# KiCad board hat_debug.kicad_pcb
title: afterglow 3.0 Debug Hat; date: 2024; rev: 1.1; company: bitfield labs
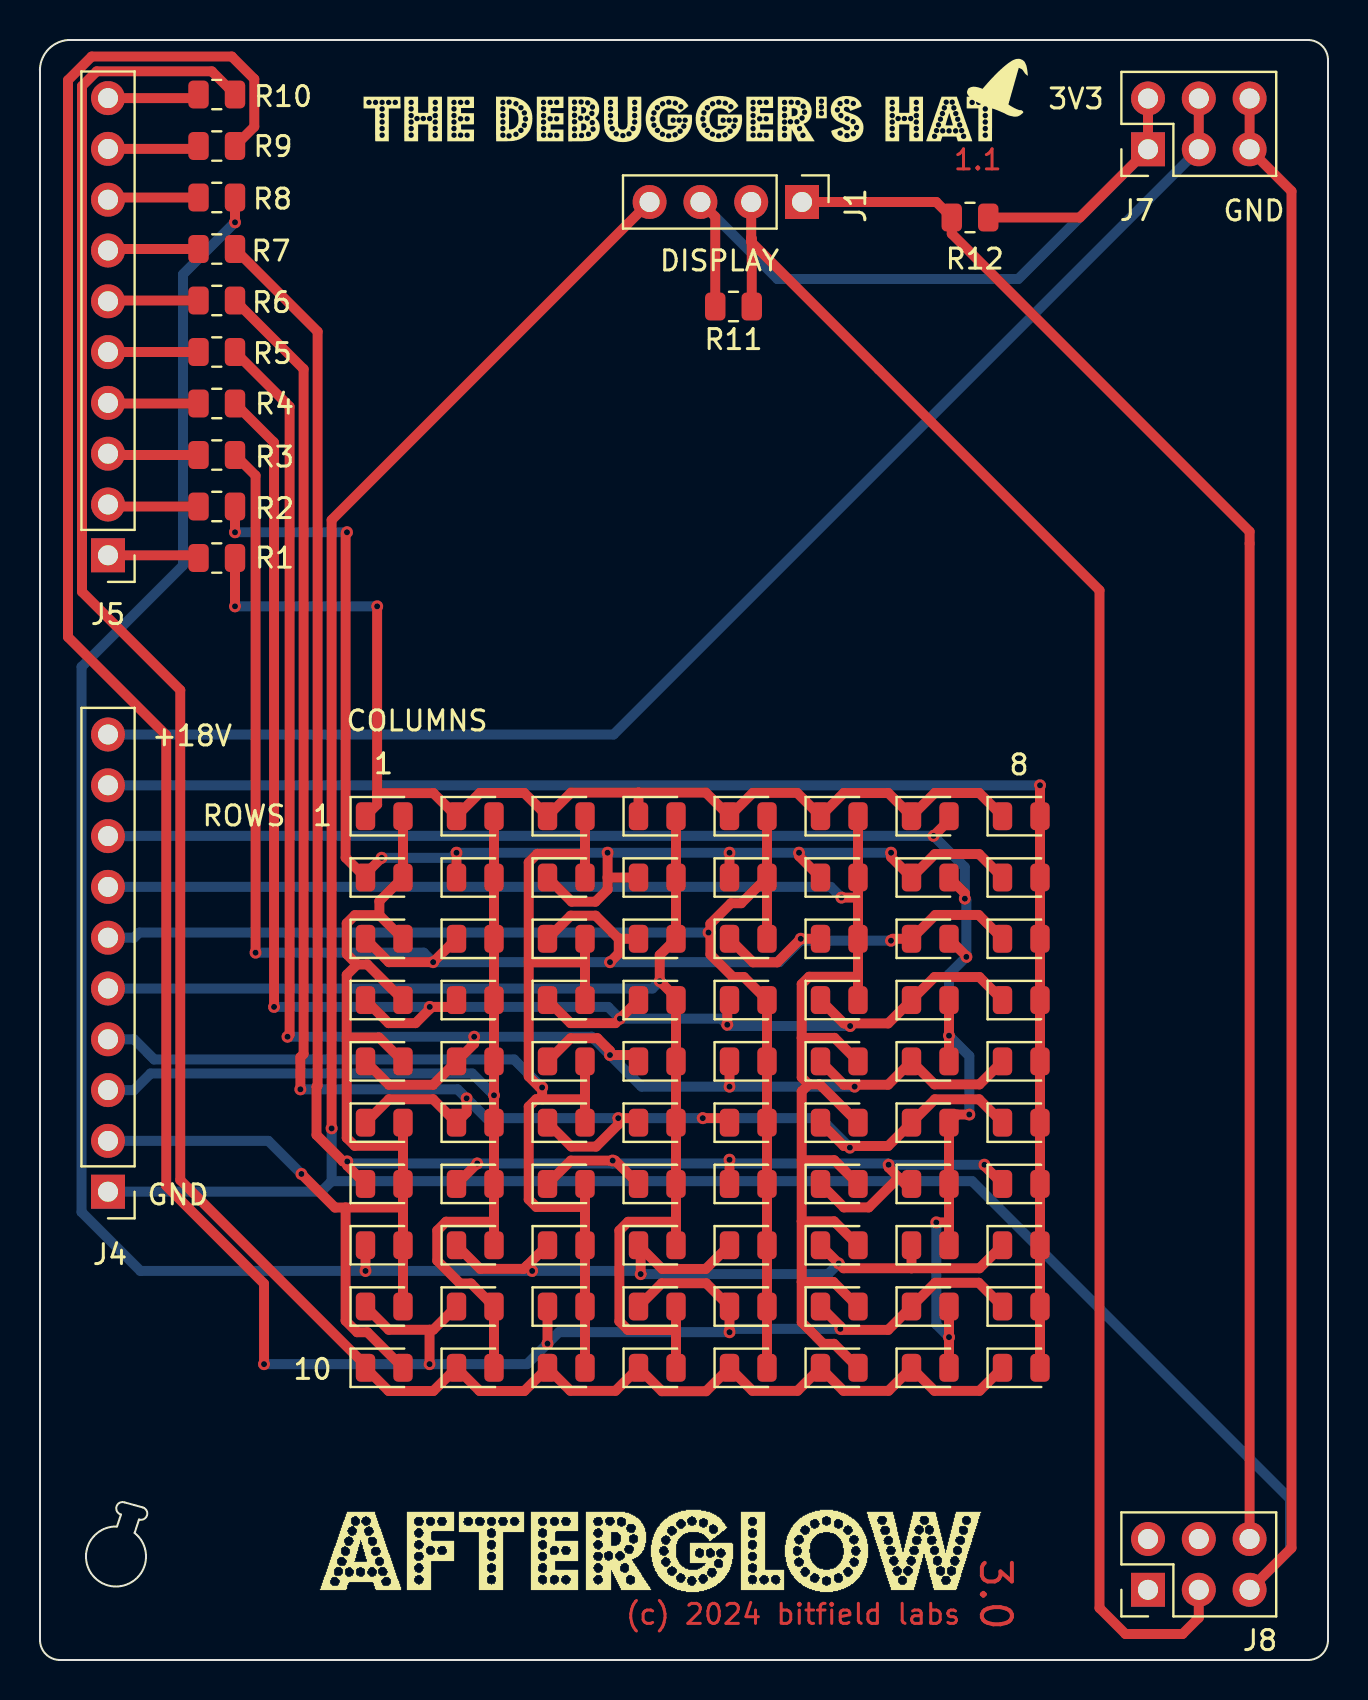
[diagram p0: board, top side]
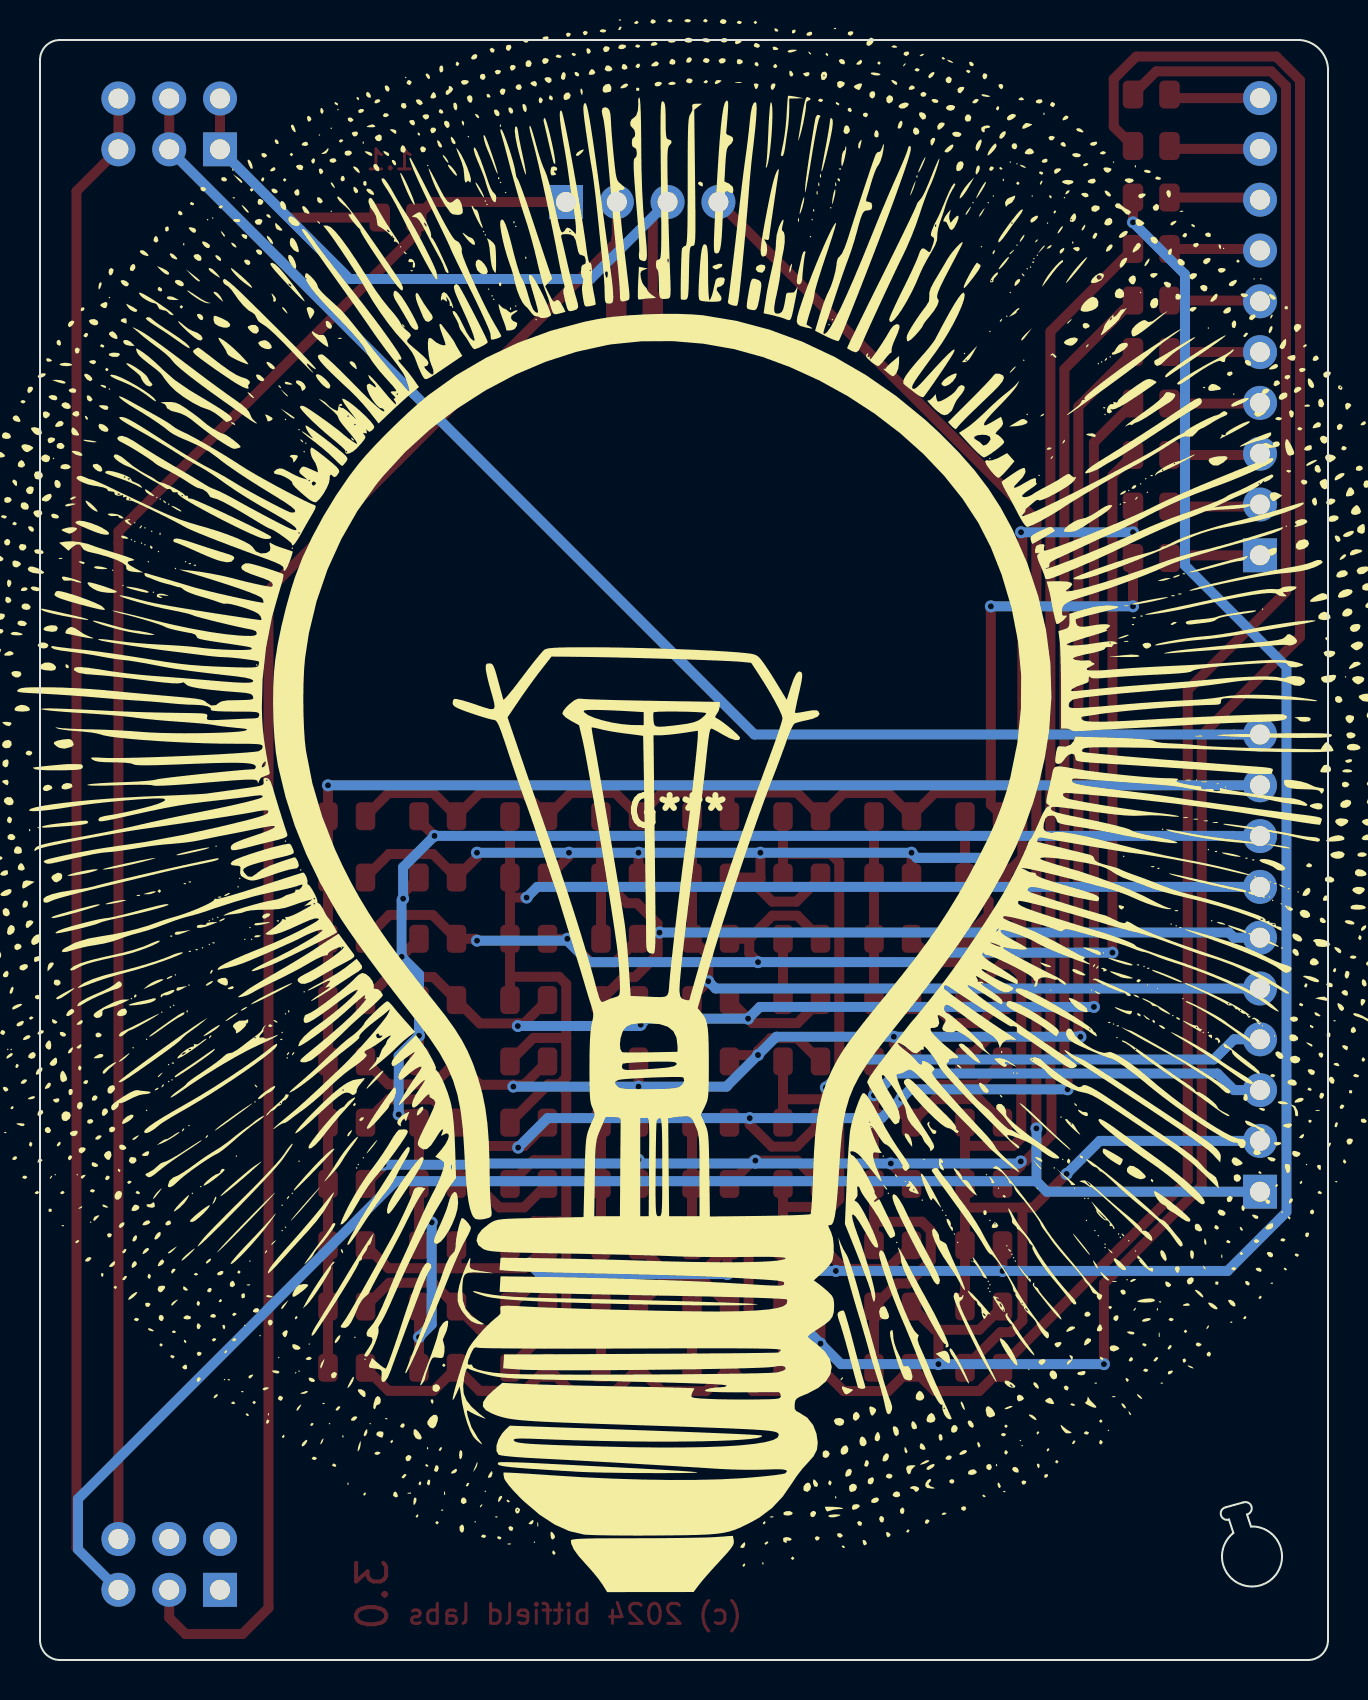
[diagram p1: board, bottom side, seen from below]

Outline 64.4 x 81 mm; copper layers: Top, Bottom. Coordinates in mm from the lower left corner of the outline.
Outline path: 4.95,7.03 4.73,6.35 arc(3.28,3.77) 3.85,6.68 4.05,7.28 arc(3.82,7.67) 4.23,7.88 5.13,7.63 arc(5.35,7.24) 4.95,7.03 ; 0,79.37 arc(0.37,80.48) 1.41,81 63.4,81 arc(64.11,80.71) 64.4,80 64.4,1 arc(64.11,0.29) 63.4,0 1,0 arc(0.29,0.29) 0,1 0,79.37
Stack: Top 0.035mm / dielectric 1.51mm FR4 er 4.5 / Bottom 0.035mm

## Placement (name value [footprint] x y rotation side)
afterglow  -  [afterglow]  14 7.5 0 top
D1  LED_W  [LED_0805_2012Metric]  17.21 42.19 0 top
D2  LED_Y  [LED_0805_2012Metric]  17.21 39.13 0 top
D3  LED_O  [LED_0805_2012Metric]  17.21 36.06 0 top
D4  LED_R  [LED_0805_2012Metric]  17.21 33 0 top
D5  LED_B  [LED_0805_2012Metric]  17.21 29.93 0 top
D6  LED_W  [LED_0805_2012Metric]  17.21 26.87 0 top
D7  LED_B  [LED_0805_2012Metric]  17.21 23.8 0 top
D8  LED_R  [LED_0805_2012Metric]  17.21 20.74 0 top
D9  LED_R  [LED_0805_2012Metric]  21.76 42.19 0 top
D10  LED_W  [LED_0805_2012Metric]  21.76 39.13 0 top
D11  LED_W  [LED_0805_2012Metric]  21.76 36.06 0 top
D12  LED_W  [LED_0805_2012Metric]  21.76 33 0 top
D13  LED_W  [LED_0805_2012Metric]  21.76 29.93 0 top
D14  LED_W  [LED_0805_2012Metric]  21.76 26.87 0 top
D15  LED_B  [LED_0805_2012Metric]  21.76 23.8 0 top
D16  LED_R  [LED_0805_2012Metric]  21.76 20.74 0 top
D17  LED_R  [LED_0805_2012Metric]  26.31 42.19 0 top
D18  LED_Y  [LED_0805_2012Metric]  26.31 39.13 0 top
D19  LED_Y  [LED_0805_2012Metric]  26.31 36.06 0 top
D20  LED_Y  [LED_0805_2012Metric]  26.31 33 0 top
D21  LED_B  [LED_0805_2012Metric]  26.31 29.93 0 top
D22  LED_B  [LED_0805_2012Metric]  26.31 26.87 0 top
D23  LED_B  [LED_0805_2012Metric]  26.31 23.8 0 top
D24  LED_R  [LED_0805_2012Metric]  26.31 20.74 0 top
D25  LED_B  [LED_0805_2012Metric]  30.86 42.19 0 top
D26  LED_B  [LED_0805_2012Metric]  30.86 39.13 0 top
D27  LED_B  [LED_0805_2012Metric]  30.86 36.06 0 top
D28  LED_B  [LED_0805_2012Metric]  30.86 33 0 top
D29  LED_B  [LED_0805_2012Metric]  30.86 29.93 0 top
D30  LED_B  [LED_0805_2012Metric]  30.86 26.87 0 top
D31  LED_B  [LED_0805_2012Metric]  30.86 23.8 0 top
D32  LED_B  [LED_0805_2012Metric]  30.86 20.74 0 top
D33  LED_B  [LED_0805_2012Metric]  35.41 42.19 0 top
D34  LED_B  [LED_0805_2012Metric]  35.41 39.13 0 top
D35  LED_B  [LED_0805_2012Metric]  35.41 36.06 0 top
D36  LED_B  [LED_0805_2012Metric]  35.41 33 0 top
D37  LED_B  [LED_0805_2012Metric]  35.41 29.93 0 top
D38  LED_B  [LED_0805_2012Metric]  35.41 26.87 0 top
D39  LED_W  [LED_0805_2012Metric]  35.41 23.8 0 top
D40  LED_W  [LED_0805_2012Metric]  35.41 20.74 0 top
D41  LED_R  [LED_0805_2012Metric]  39.96 42.19 0 top
D42  LED_W  [LED_0805_2012Metric]  39.96 39.13 0 top
D43  LED_W  [LED_0805_2012Metric]  39.96 36.06 0 top
D44  LED_W  [LED_0805_2012Metric]  39.96 33 0 top
D45  LED_W  [LED_0805_2012Metric]  39.96 29.93 0 top
D46  LED_W  [LED_0805_2012Metric]  39.96 26.87 0 top
D47  LED_W  [LED_0805_2012Metric]  39.96 23.8 0 top
D48  LED_G  [LED_0805_2012Metric]  39.96 20.74 0 top
D49  LED_Y  [LED_0805_2012Metric]  44.51 42.19 0 top
D50  LED_G  [LED_0805_2012Metric]  44.51 39.13 0 top
D51  LED_W  [LED_0805_2012Metric]  44.51 36.06 0 top
D52  LED_B  [LED_0805_2012Metric]  44.51 33 0 top
D53  LED_Y  [LED_0805_2012Metric]  44.51 29.93 0 top
D54  LED_O  [LED_0805_2012Metric]  44.51 26.87 0 top
D55  LED_O  [LED_0805_2012Metric]  44.51 23.8 0 top
D56  LED_O  [LED_0805_2012Metric]  44.51 20.74 0 top
D57  LED_G  [LED_0805_2012Metric]  49.06 42.19 0 top
D58  LED_Y  [LED_0805_2012Metric]  49.06 39.13 0 top
D59  LED_R  [LED_0805_2012Metric]  49.06 36.06 0 top
D60  LED_B  [LED_0805_2012Metric]  49.06 33 0 top
D61  LED_W  [LED_0805_2012Metric]  49.06 29.93 0 top
D62  LED_Y  [LED_0805_2012Metric]  49.06 26.87 0 top
D63  LED_W  [LED_0805_2012Metric]  49.06 23.8 0 top
D64  LED_R  [LED_0805_2012Metric]  49.06 20.74 0 top
D65  LED_B  [LED_0805_2012Metric]  17.21 17.67 0 top
D66  LED_R  [LED_0805_2012Metric]  17.21 14.61 0 top
D67  LED_B  [LED_0805_2012Metric]  21.76 17.67 0 top
D68  LED_R  [LED_0805_2012Metric]  21.76 14.61 0 top
D69  LED_B  [LED_0805_2012Metric]  26.31 17.67 0 top
D70  LED_R  [LED_0805_2012Metric]  26.31 14.61 0 top
D71  LED_B  [LED_0805_2012Metric]  30.86 17.67 0 top
D72  LED_B  [LED_0805_2012Metric]  30.86 14.61 0 top
D73  LED_W  [LED_0805_2012Metric]  35.41 17.67 0 top
D74  LED_W  [LED_0805_2012Metric]  35.41 14.61 0 top
D75  LED_W  [LED_0805_2012Metric]  39.96 17.67 0 top
D76  LED_G  [LED_0805_2012Metric]  39.96 14.61 0 top
D77  LED_O  [LED_0805_2012Metric]  44.51 17.67 0 top
D78  LED_O  [LED_0805_2012Metric]  44.51 14.61 0 top
D79  LED_W  [LED_0805_2012Metric]  49.06 17.67 0 top
D80  LED_R  [LED_0805_2012Metric]  49.06 14.61 0 top
G***  LOGO  [debuggers_hat]  32.18 77.05 0 top
G***#2  LOGO  [hat]  48.15 78.88 338 top
G***#3  LOGO  [background]  32.53 42.43 180 bottom
J1  Conn_01x04_Socket  [PinHeader_1x04_P2.54mm_Vertical]  38.1 72.9 270 top
J4  Conn_01x10_Pin  [PinHeader_1x10_P2.54mm_Vertical]  3.4 23.42 180 top
J5  Conn_01x10_Pin  [PinHeader_1x10_P2.54mm_Vertical]  3.4 55.24 180 top
J7  Conn_02x03_Odd_Even  [PinHeader_2x03_P2.54mm_Vertical]  55.4 75.54 90 top
J8  Conn_02x03_Odd_Even  [PinHeader_2x03_P2.54mm_Vertical]  55.4 3.51 90 top
R1  1k  [R_0805_2012Metric]  8.84 55.1 0 top
R2  1k  [R_0805_2012Metric]  8.84 57.68 0 top
R3  1k  [R_0805_2012Metric]  8.84 60.25 0 top
R4  1k  [R_0805_2012Metric]  8.84 62.83 0 top
R5  1k  [R_0805_2012Metric]  8.84 65.4 0 top
R6  1k  [R_0805_2012Metric]  8.84 67.98 0 top
R7  1k  [R_0805_2012Metric]  8.84 70.55 0 top
R8  1k  [R_0805_2012Metric]  8.84 73.13 0 top
R9  1k  [R_0805_2012Metric]  8.84 75.7 0 top
R10  1k  [R_0805_2012Metric]  8.84 78.28 0 top
R11  4k7  [R_0805_2012Metric]  34.68 67.68 180 top
R12  4k7  [R_0805_2012Metric]  46.5 72.13 0 top

## Library data of the parts
D1-D80 = -: LCSC: C434437; ki_fp_filters: LED* LED_SMD:* LED_THT:*
J1 J4 J5 = -: ki_fp_filters: Connector*:*_1x??_*
J7 J8 = -: ki_fp_filters: Connector*:*_2x??_*
R1-R10 = -: Description: Resistor; JLCPCB: C17513; ki_fp_filters: R_*
R11 R12 = -: Description: Resistor; JLCPCB: C17673; ki_fp_filters: R_*

## Footprints (pads in the part's own frame, mm; a bottom-side part is the same pattern mirrored in y, then rotated)
LED_0805_2012Metric
  rrect 0.975x1.4 smd: 1(-0.938,0) 2(0.938,0)
PinHeader_1x04_P2.54mm_Vertical
  rect 1.7x1.7 hole 1: 1(0,0)
  oval 1.7x1.7 hole 1: 2(0,-2.54) 3(0,-5.08) 4(0,-7.62)
PinHeader_1x10_P2.54mm_Vertical
  rect 1.7x1.7 hole 1: 1(0,0)
  oval 1.7x1.7 hole 1: 2(0,-2.54) 3(0,-5.08) 4(0,-7.62) 5(0,-10.16) 6(0,-12.7) 7(0,-15.24) 8(0,-17.78) 9(0,-20.32) 10(0,-22.86)
PinHeader_2x03_P2.54mm_Vertical
  rect 1.7x1.7 hole 1: 1(0,0)
  oval 1.7x1.7 hole 1: 2(2.54,0) 3(0,-2.54) 4(2.54,-2.54) 5(0,-5.08) 6(2.54,-5.08)
R_0805_2012Metric
  rrect 1.025x1.4 smd: 1(-0.912,0) 2(0.912,0)

## Nets
/3V3: J1.3 J7.1 J7.2 R11.2 R12.2
/18V: J4.10 J7.3 J7.4
GND: J1.4 J4.1 J7.5 J7.6 J8.5
/D_SCL: J1.2 J8.3 R11.1
/D_SDA: J1.1 J8.6 R12.1
/MOS_CO1: D1.2 D2.2 D3.2 D4.2 D5.2 D6.2 D7.2 D8.2 D65.2 D66.2 J4.2
/MOS_CO2: D9.2 D10.2 D11.2 D12.2 D13.2 D14.2 D15.2 D16.2 D67.2 D68.2 J4.3
/MOS_CO3: D17.2 D18.2 D19.2 D20.2 D21.2 D22.2 D23.2 D24.2 D69.2 D70.2 J4.4
/MOS_CO4: D25.2 D26.2 D27.2 D28.2 D29.2 D30.2 D31.2 D32.2 D71.2 D72.2 J4.5
/MOS_CO5: D33.2 D34.2 D35.2 D36.2 D37.2 D38.2 D39.2 D40.2 D73.2 D74.2 J4.6
/MOS_CO6: D41.2 D42.2 D43.2 D44.2 D45.2 D46.2 D47.2 D48.2 D75.2 D76.2 J4.7
/MOS_CO7: D49.2 D50.2 D51.2 D52.2 D53.2 D54.2 D55.2 D56.2 D77.2 D78.2 J4.8
/MOS_CO8: D57.2 D58.2 D59.2 D60.2 D61.2 D62.2 D63.2 D64.2 D79.2 D80.2 J4.9
/MOS_RO1: J5.1 R1.1
/MOS_RO2: J5.2 R2.1
/MOS_RO3: J5.3 R3.1
/MOS_RO4: J5.4 R4.1
/MOS_RO5: J5.5 R5.1
/MOS_RO6: J5.6 R6.1
/MOS_RO7: J5.7 R7.1
/MOS_RO8: J5.8 R8.1
/MOS_RO9: J5.9 R9.1
/MOS_RO10: J5.10 R10.1
/OUT_CLK: J8.2
/OUT_DATA: J8.1
/OUT_LOAD: J8.4
Net-(D1-K): D1.1 D9.1 D17.1 D25.1 D33.1 D41.1 D49.1 D57.1 R1.2
Net-(D10-K): D2.1 D10.1 D18.1 D26.1 D34.1 D42.1 D50.1 D58.1 R2.2
Net-(D11-K): D3.1 D11.1 D19.1 D27.1 D35.1 D43.1 D51.1 D59.1 R3.2
Net-(D12-K): D4.1 D12.1 D20.1 D28.1 D36.1 D44.1 D52.1 D60.1 R4.2
Net-(D13-K): D5.1 D13.1 D21.1 D29.1 D37.1 D45.1 D53.1 D61.1 R5.2
Net-(D14-K): D6.1 D14.1 D22.1 D30.1 D38.1 D46.1 D54.1 D62.1 R6.2
Net-(D15-K): D7.1 D15.1 D23.1 D31.1 D39.1 D47.1 D55.1 D63.1 R7.2
Net-(D16-K): D8.1 D16.1 D24.1 D32.1 D40.1 D48.1 D56.1 D64.1 R8.2
Net-(D65-K): D65.1 D67.1 D69.1 D71.1 D73.1 D75.1 D77.1 D79.1 R9.2
Net-(D66-K): D66.1 D68.1 D70.1 D72.1 D74.1 D76.1 D78.1 D80.1 R10.2

## Via types
v1: diameter 0.6, hole 0.3, Top to Bottom, 61 vias

## Routing (per net, layer and track width the routed paths; a pad name or vN(x,y) marks a point on that pad's centre or on a via; arc(x,y) is an arc through that point)
/3V3: length 44.1
  Top w0.5: 55.4,78.08 J7.1 51.99,72.13 R12.2 ; R11.2 33.76,72.16 J1.3
  Bottom w0.5: J1.3 36.87,69.05 48.91,69.05 J7.1
/18V: length 69.2
  Top w0.5: 57.94,78.08 J7.3
  Bottom w0.5: J4.10 28.68,46.28 J7.3
GND: length 203.1
  Top w0.5: J1.4 14.58,57 v1(14.58,26.58) ; 60.48,78.08 J7.5 62.58,73.44 62.58,5.61 J8.5
  Bottom w0.5: 14.58,23.94 v1(14.58,26.58) ; 14.58,23.94 14.06,23.42 J4.1 ; 14.58,23.94 46.61,23.94 62.5,8.05 62.5,5.53 J8.5
/D_SCL: length 88.2
  Top w0.5: 35.56,71.1 35.56,70.9 52.97,53.48 52.97,2.6 54.28,1.3 57.12,1.3 57.94,2.12 J8.3 ; 35.56,71.1 35.59,71.07 R11.1 ; 35.56,71.1 J1.2
/D_SDA: length 80.1
  Top w0.5: J8.6 60.48,56.42 45.59,71.31 R12.1 44.81,72.9 J1.1
/MOS_CO1: length 64.2
  Top w0.5: 16.97,37.24 15.74,37.24 15.34,36.83 15.34,35.29 15.85,34.78 ; 16.97,37.24 D3.2 ; 16.97,37.24 16.97,37.94 D2.2 D1.2 ; 15.85,34.78 15.34,34.26 15.34,31.13 ; 15.85,34.78 16.37,34.78 D4.2 ; D66.2 16.37,16.39 15.85,16.39 15.28,16.96 15.28,22.62 ; 15.28,22.62 14.75,22.62 v1(13.07,24.3) ; 15.28,22.62 18.15,22.62 ; 18.15,25.71 D7.2 18.15,22.62 ; 18.15,25.71 15.74,25.71 15.34,26.11 15.34,31.13 ; 18.15,25.71 D6.2 ; 18.15,22.62 D8.2 D65.2 ; 15.34,31.13 16.95,31.13 D5.2
  Bottom w0.5: J4.2 11.42,25.96 v1(13.07,24.3)
/MOS_CO2: length 52.9
  Top w0.5: 22.7,21.91 D16.2 ; 22.7,21.91 D15.2 D14.2 v1(22.7,28.23) D13.2 D12.2 D11.2 D10.2 D9.2 ; 22.7,21.91 20.3,21.91 19.86,21.47 19.86,19.96 21,18.83 21.55,18.83 D67.2 D68.2
  Bottom w0.5: v1(22.7,28.23) 21.61,29.33 5.53,29.33 4.7,28.5 J4.3
/MOS_CO3: length 69.7
  Top w0.5: 27.25,34.88 D19.2 ; 27.25,34.88 D20.2 ; 27.25,34.88 24.44,34.88 ; 24.44,34.88 24.44,29.18 24.99,28.63 v1(25.11,28.63) 25.11,28.04 ; 24.44,34.88 24.44,39.88 24.86,40.31 27.25,40.31 ; D17.2 27.25,40.31 ; 27.25,40.31 D18.2 ; D70.2 D69.2 D24.2 27.25,22.65 ; 27.25,22.65 24.82,22.65 24.44,23.03 24.44,27.67 24.81,28.04 25.11,28.04 ; 27.25,22.65 D23.2 ; 27.25,28.04 D22.2 ; 27.25,28.04 D21.2 ; 27.25,28.04 25.11,28.04
  Bottom w0.5: v1(25.11,28.63) 23.71,30.03 5.71,30.03 4.7,31.04 J4.4
/MOS_CO4: length 63.5
  Top w0.5: 31.8,21.91 D31.2 D30.2 D29.2 D28.2 31.8,33.13 v1(30.99,33.94) 30.99,35.25 D27.2 D26.2 D25.2 ; 31.8,21.91 29.4,21.91 28.97,21.47 28.97,16.93 29.4,16.5 31.8,16.5 ; 31.8,21.91 D32.2 ; 31.8,16.5 D71.2 ; 31.8,16.5 D72.2
  Bottom w0.5: J4.5 30.62,33.58 v1(30.99,33.94)
/MOS_CO5: length 63.8
  Top w0.5: D34.2 35.07,37.84 34.55,37.84 33.52,36.81 33.52,36.37 ; D34.2 D35.2 ; D34.2 D33.2 ; v1(33.42,36.37) 33.52,36.37 ; 33.52,36.37 33.52,35.28 34.65,34.15 35.2,34.15 D36.2 D37.2 D38.2 D39.2 D40.2 D73.2 D74.2
  Bottom w0.5: J4.6 4.7,36.12 4.96,36.37 v1(33.42,36.37)
/MOS_CO6: length 87.3
  Top w0.5: 38.09,31.11 38.09,29.13 38.44,28.78 ; 38.09,31.11 39.73,31.11 D45.2 ; 38.09,31.11 38.09,33.8 38.45,34.16 40.9,34.16 ; v1(40.07,38.12) 40.9,38.12 ; 40.9,38.12 D43.2 40.9,34.16 ; 40.9,38.12 D42.2 D41.2 ; 40.9,34.16 D44.2 ; 38.09,21.93 38.09,18.9 ; 38.09,21.93 39.7,21.93 D48.2 ; 38.09,21.93 38.09,24.99 ; 38.09,18.9 38.09,16.89 39.17,15.81 39.7,15.81 D76.2 ; 38.09,18.9 39.67,18.9 D75.2 ; 38.44,28.78 38.09,28.43 38.09,24.99 ; 38.44,28.78 38.99,28.78 D46.2 ; D47.2 39.71,24.99 38.09,24.99
  Bottom w0.5: J4.7 39.54,38.66 v1(40.07,38.12)
/MOS_CO7: length 80.7
  Top w0.5: D50.2 46.24,38.33 v1(46.24,38.07) ; D77.2 v1(45.45,16.14) D78.2 ; D49.2 45.45,41.98 v1(44.68,41.21) ; D53.2 v1(45.45,31.22) D52.2 ; 45.45,21.88 D55.2 D54.2 45.86,27.27 v1(46.46,27.27) ; 45.45,21.88 v1(44.82,21.88) ; 45.45,21.88 D56.2 ; v1(46.32,35.16) 46.32,35.19 D51.2
  Bottom w0.5: v1(44.82,21.88) 44.82,16.78 v1(45.45,16.14) ; v1(46.46,27.27) 46.46,30.2 v1(45.45,31.22) 45.45,34.29 v1(46.32,35.16) 46.32,37.99 v1(46.24,38.07) 46.24,39.64 v1(44.68,41.21) 4.71,41.21 4.7,41.2 J4.8
/MOS_CO8: length 75.7
  Top w0.5: v1(50,43.74) D57.2 D58.2 D59.2 D60.2 D61.2 D62.2 D63.2 D64.2 D79.2 D80.2
  Bottom w0.5: J4.9 v1(50,43.74)
/MOS_RO1: length 4.6
  Top w0.5: J5.1 7.79,55.24 R1.1
/MOS_RO2: length 4.6
  Top w0.5: J5.2 3.5,57.68 R2.1
/MOS_RO3: length 4.6
  Top w0.5: J5.3 3.47,60.25 R3.1
/MOS_RO4: length 4.5
  Top w0.5: R4.1 3.43,62.83 J5.4
/MOS_RO5: length 4.5
  Top w0.5: R5.1 3.41,65.4 J5.5
/MOS_RO6: length 4.5
  Top w0.5: J5.6 3.44,67.98 R6.1
/MOS_RO7: length 4.6
  Top w0.5: R7.1 3.48,70.55 J5.7
/MOS_RO8: length 4.6
  Top w0.5: R8.1 3.51,73.13 J5.8
/MOS_RO9: length 4.6
  Top w0.5: J5.9 7.78,75.56 R9.1
/MOS_RO10: length 4.6
  Top w0.5: J5.10 7.75,78.1 R10.1
Net-(D1-K): length 58
  Top w0.5: 29.93,43.37 33.3,43.37 D33.1 35.64,43.36 37.86,43.36 D41.1 40.18,43.35 42.42,43.35 D49.1 44.74,43.35 46.96,43.35 D57.1 ; 29.93,43.37 D25.1 ; 29.93,43.37 26.55,43.37 D17.1 24.21,43.35 21.99,43.35 D9.1 19.67,43.34 16.86,43.34 ; D1.1 16.86,42.77 16.86,43.34 ; 16.86,43.34 v1(16.86,52.68) ; R1.2 v1(9.75,52.68)
  Bottom w0.5: v1(16.86,52.68) v1(9.75,52.68)
Net-(D10-K): length 70
  Top w0.5: R2.2 v1(9.75,56.39) ; D58.1 46.95,40.3 44.75,40.3 D50.1 42.55,40.15 v1(42.55,40.36) ; D34.1 v1(34.47,40.36) ; D26.1 28.38,39.13 ; 28.38,39.13 v1(28.38,40.36) ; 28.38,39.13 28.38,38.52 27.78,37.92 26.58,37.92 D18.1 ; v1(15.35,56.39) 15.28,56.32 15.28,40.12 D2.1 16.28,39.3 v1(17.08,40.11) ; D10.1 v1(20.83,40.36) ; v1(37.95,40.36) 37.95,40.2 D42.1
  Bottom w0.5: v1(17.08,40.11) 20.57,40.11 v1(20.83,40.36) v1(28.38,40.36) v1(34.47,40.36) v1(37.95,40.36) v1(42.55,40.36) ; v1(9.75,56.39) v1(15.35,56.39)
Net-(D11-K): length 82.3
  Top w0.5: D27.1 28.94,36.06 ; 28.94,36.06 27.78,37.22 26.53,37.22 D19.1 ; 28.94,36.06 28.94,35.33 v1(28.5,34.89) ; D35.1 35.65,34.88 36.86,34.88 v1(38.04,36.06) D43.1 ; D11.1 v1(19.66,34.89) 17.44,34.89 D3.1 ; D59.1 46.93,37.25 44.77,37.25 D51.1 42.64,36.06 v1(42.55,35.97) ; R3.2 10.78,59.22 v1(10.78,35.37)
  Bottom w0.5: 38.04,35.97 v1(42.55,35.97) ; 38.04,35.97 v1(38.04,36.06) ; 38.04,35.97 36.96,34.89 v1(28.5,34.89) v1(19.66,34.89) 19.18,35.37 v1(10.78,35.37)
Net-(D12-K): length 83.7
  Top w0.5: R4.2 11.7,60.87 v1(11.7,32.65) ; 40.51,31.83 40.19,31.83 D44.1 ; 40.51,31.83 v1(40.51,31.7) ; 40.51,31.83 42.41,31.83 D52.1 44.73,34.15 46.97,34.15 D60.1 ; D36.1 34.36,32.88 v1(34.36,31.76) ; D4.1 17.43,31.84 18.78,31.84 19.49,32.55 v1(19.49,32.65) 20.48,32.65 D12.1 ; D20.1 26.53,31.84 28.77,31.84 v1(29,32.07) D28.1
  Bottom w0.5: v1(11.7,32.65) v1(19.49,32.65) 28.41,32.65 v1(29,32.07) 34.06,32.07 v1(34.36,31.76) 34.43,31.7 v1(40.51,31.7)
Net-(D13-K): length 89.9
  Top w0.5: D21.1 26.53,31.09 27.87,31.09 28.5,30.46 v1(28.5,30.25) 29.61,30.25 D29.1 ; 40.73,28.76 42.41,28.76 D53.1 44.73,28.78 46.97,28.78 D61.1 ; 40.73,28.76 40.19,28.76 D45.1 ; 40.73,28.76 v1(40.73,28.67) ; v1(12.38,31.16) 12.48,31.27 12.48,62.67 R5.2 ; D5.1 17.44,28.76 19.66,28.76 D13.1 21.71,30.82 v1(21.71,31.16) ; D37.1 v1(34.47,28.67)
  Bottom w0.5: v1(40.73,28.67) v1(34.47,28.67) 30.08,28.67 v1(28.5,30.25) 27.58,31.16 v1(21.71,31.16) v1(12.38,31.16)
Net-(D14-K): length 95
  Top w0.5: 40.49,25.7 v1(40.49,25.62) ; 40.49,25.7 42.41,25.7 D54.1 44.74,28.04 46.96,28.04 D62.1 ; 40.49,25.7 40.19,25.7 D46.1 ; D6.1 17.45,28.04 19.65,28.04 D14.1 21.33,27.37 v1(21.33,28.09) ; D22.1 26.57,25.67 27.81,25.67 28.91,26.78 v1(28.91,27.09) 29.7,27.09 D30.1 ; v1(33.14,27.09) 34.25,27.09 D38.1 ; v1(13.02,28.53) 13.02,30.14 13.18,30.3 13.18,64.54 R6.2
  Bottom w0.5: v1(13.02,28.53) 20.88,28.53 v1(21.33,28.09) 22.32,27.09 v1(28.91,27.09) v1(33.14,27.09) 39.02,27.09 v1(40.49,25.62)
Net-(D15-K): length 98
  Top w0.5: v1(42.43,24.76) 42.43,24.63 42.93,24.12 ; D15.1 20.84,23.8 v1(21.86,24.83) ; D55.1 43.25,23.8 42.93,24.12 ; D23.1 26.54,24.97 v1(28.63,24.97) 28.76,24.97 D31.1 ; v1(34.47,25.02) D39.1 ; R7.2 13.88,66.42 13.88,28.72 13.83,28.67 13.83,26.25 15.15,24.93 v1(15.36,24.93) 15.36,24.72 D7.1 ; D63.1 47.22,24.71 v1(47.22,24.76) ; 42.93,24.12 41.44,22.63 40.2,22.63 D47.1
  Bottom w0.5: v1(15.36,24.93) 15.46,24.83 v1(21.86,24.83) 28.63,24.83 ; v1(47.22,24.76) v1(42.43,24.76) 42.37,24.83 34.47,24.83 ; 34.47,24.83 28.63,24.83 ; 34.47,24.83 v1(34.47,25.02) ; 28.63,24.83 v1(28.63,24.97)
Net-(D16-K): length 118.7
  Top w0.5: D16.1 22.01,19.56 24.19,19.56 24.35,19.71 ; 43.58,19.59 40.18,19.59 v1(39.94,19.83) D48.1 ; 43.58,19.59 D56.1 ; 43.58,19.59 46.97,19.59 D64.1 ; D40.1 33.29,19.55 31.11,19.55 D32.1 30.03,20.63 v1(30.03,19.3) ; R8.2 v1(9.75,71.88) ; D8.1 v1(16.28,19.45) ; 24.35,19.71 D24.1 ; 24.35,19.71 v1(24.61,19.45)
  Bottom w0.5: v1(39.94,19.83) 39.41,19.3 v1(30.03,19.3) 29.88,19.45 v1(24.61,19.45) v1(16.28,19.45) 5.02,19.45 2.08,22.39 2.08,49.66 7.15,54.73 7.15,69.29 v1(9.75,71.88)
Net-(D65-K): length 138.8
  Top w0.5: v1(34.47,16.39) D73.1 33.31,18.84 31.09,18.84 D71.1 ; v1(11.2,14.79) 11.2,18.82 6.31,23.7 6.31,46.24 1.4,51.15 1.4,78.99 2.58,80.17 9.59,80.17 10.71,79.05 10.71,76.66 R9.2 ; 19.48,16.51 19.66,16.51 D67.1 ; 19.48,16.51 v1(19.48,14.79) ; 19.48,16.51 17.44,16.51 D65.1 ; D79.1 46.94,18.86 44.76,18.86 D77.1 42.41,16.51 40.07,16.51 v1(40.02,16.56) 40.02,16.68 D75.1 ; D69.1 v1(25.38,15.82)
  Bottom w0.5: v1(11.2,14.79) v1(19.48,14.79) 24.35,14.79 v1(25.38,15.82) 25.94,16.39 v1(34.47,16.39) 34.64,16.56 v1(40.02,16.56)
Net-(D66-K): length 117
  Top w0.5: D80.1 46.97,13.46 44.73,13.46 D78.1 42.42,13.46 40.18,13.46 D76.1 37.87,13.46 35.63,13.46 D74.1 33.3,13.44 31.1,13.44 D72.1 28.77,13.46 26.53,13.46 D70.1 24.21,13.45 21.99,13.45 D68.1 19.66,13.45 17.44,13.45 D66.1 16.28,14.73 7.01,23.99 7.01,48.5 2.1,53.41 2.1,78.7 2.84,79.43 8.59,79.43 R10.2

## Text on the board
Top: (c) 2024 bitfield labs | 1.1 | 3.0
F.Mask: (c) 2024 bitfield labs | 3.0
F.Silkscreen: GND | +18V | ROWS | 10 | 1 | COLUMNS | DISPLAY | 8 | 3V3
